# KiCad board ARTIQAmp.kicad_pcb
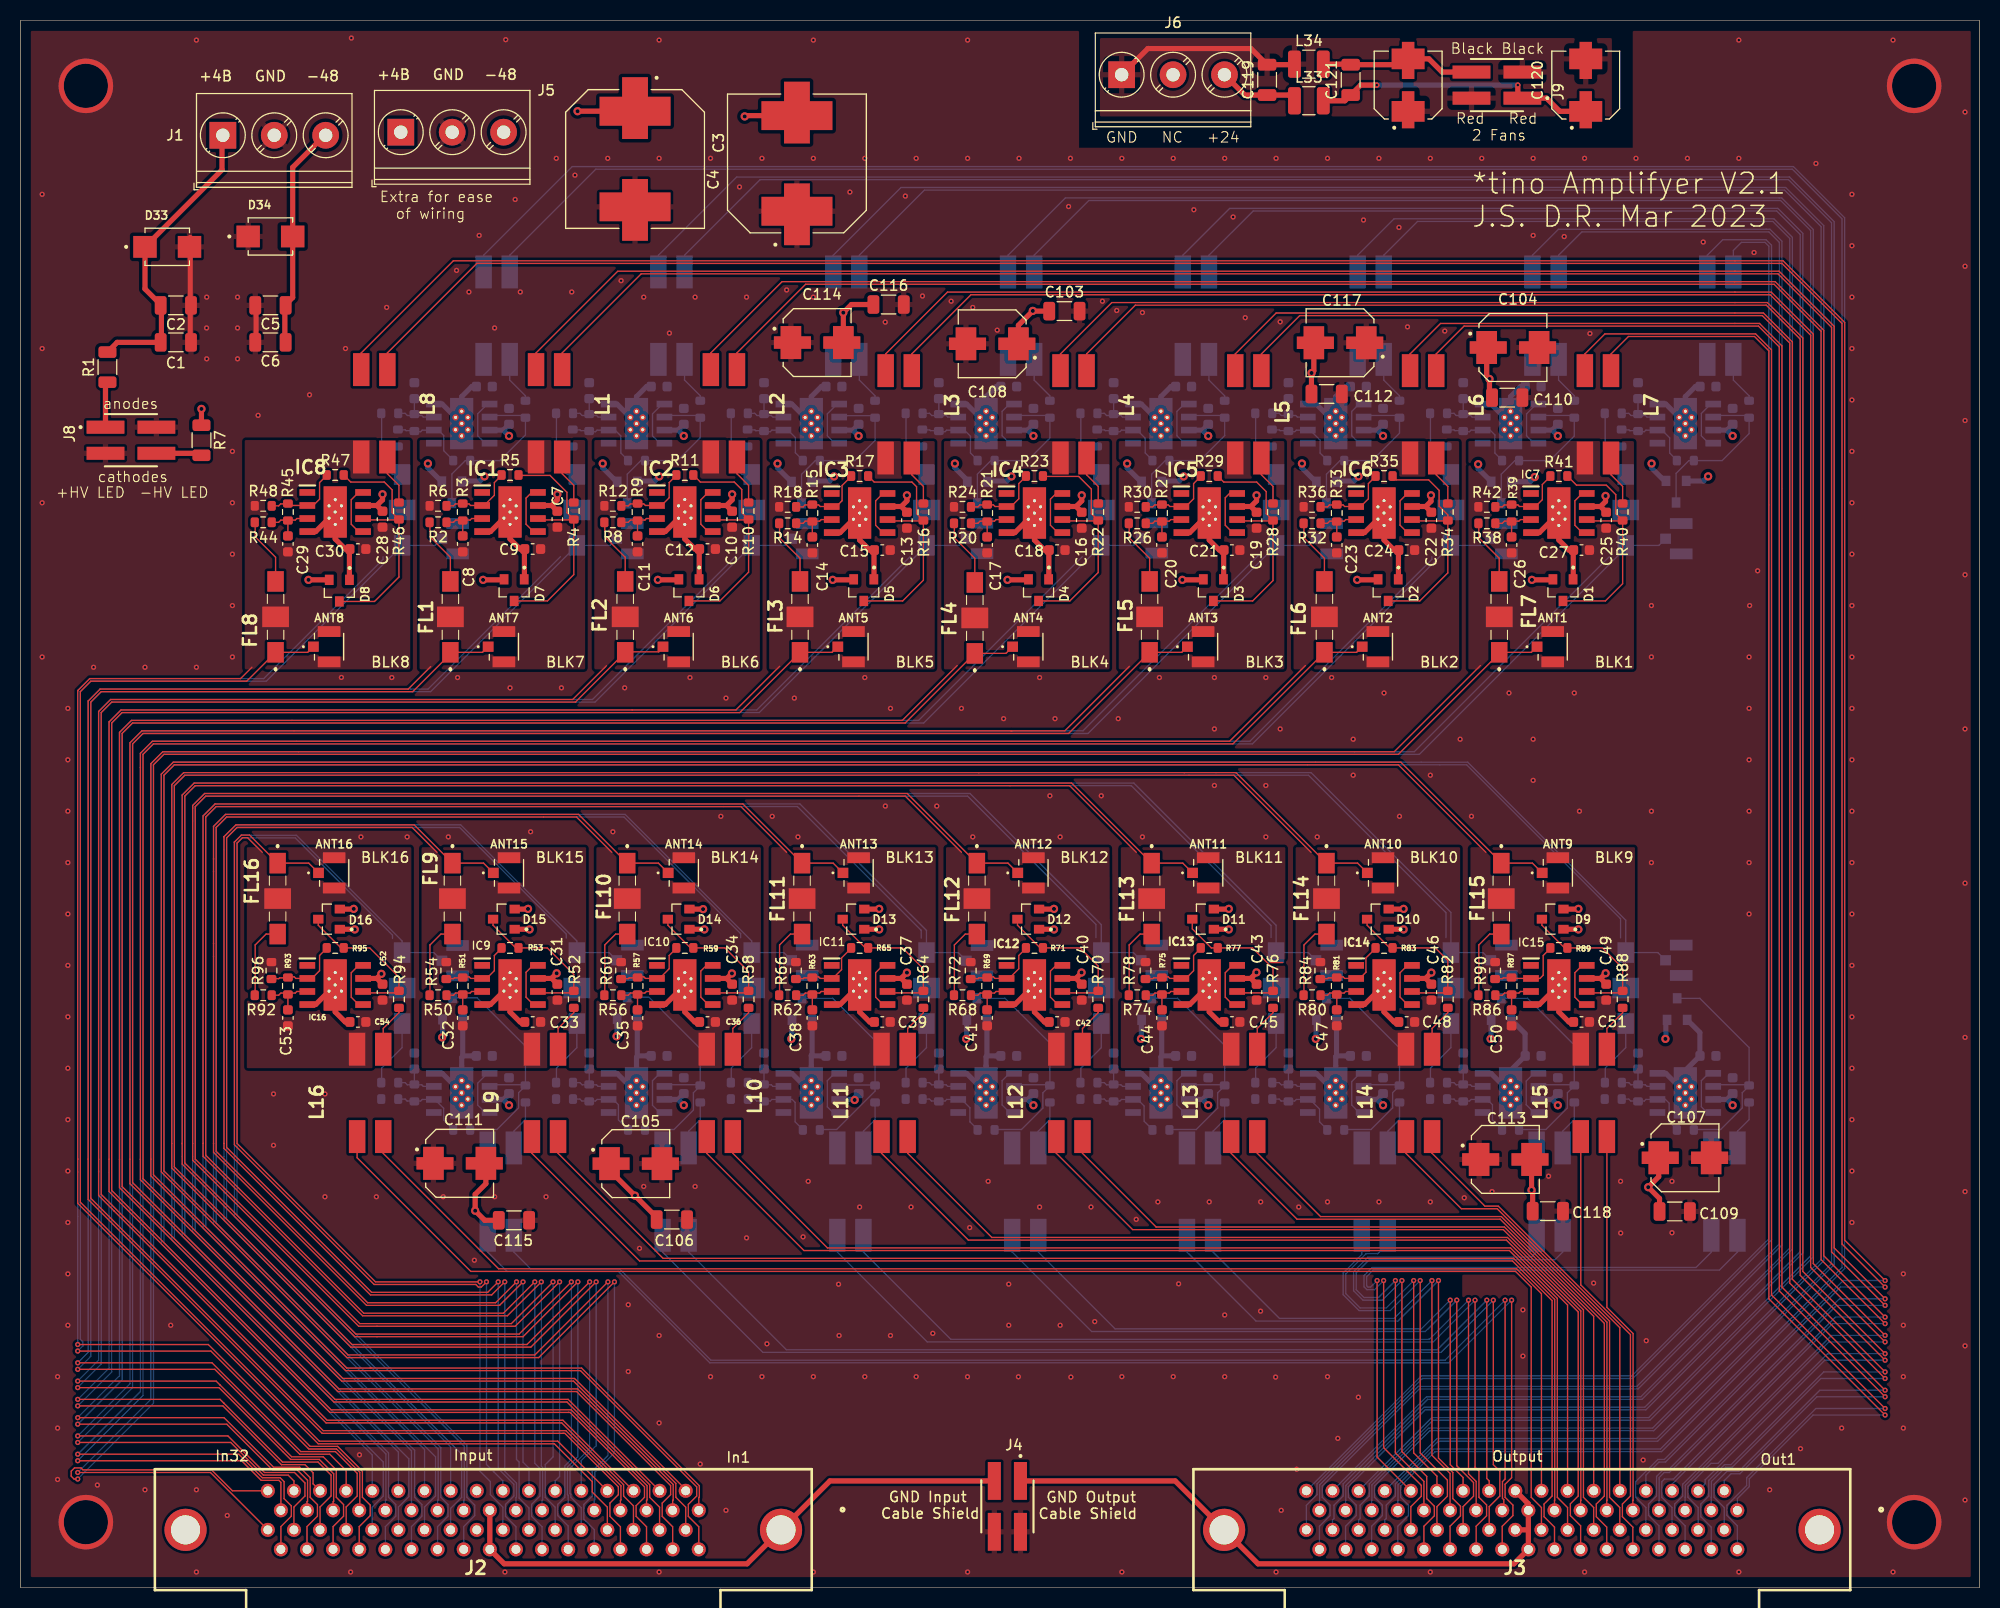
[diagram p0: board, top side]
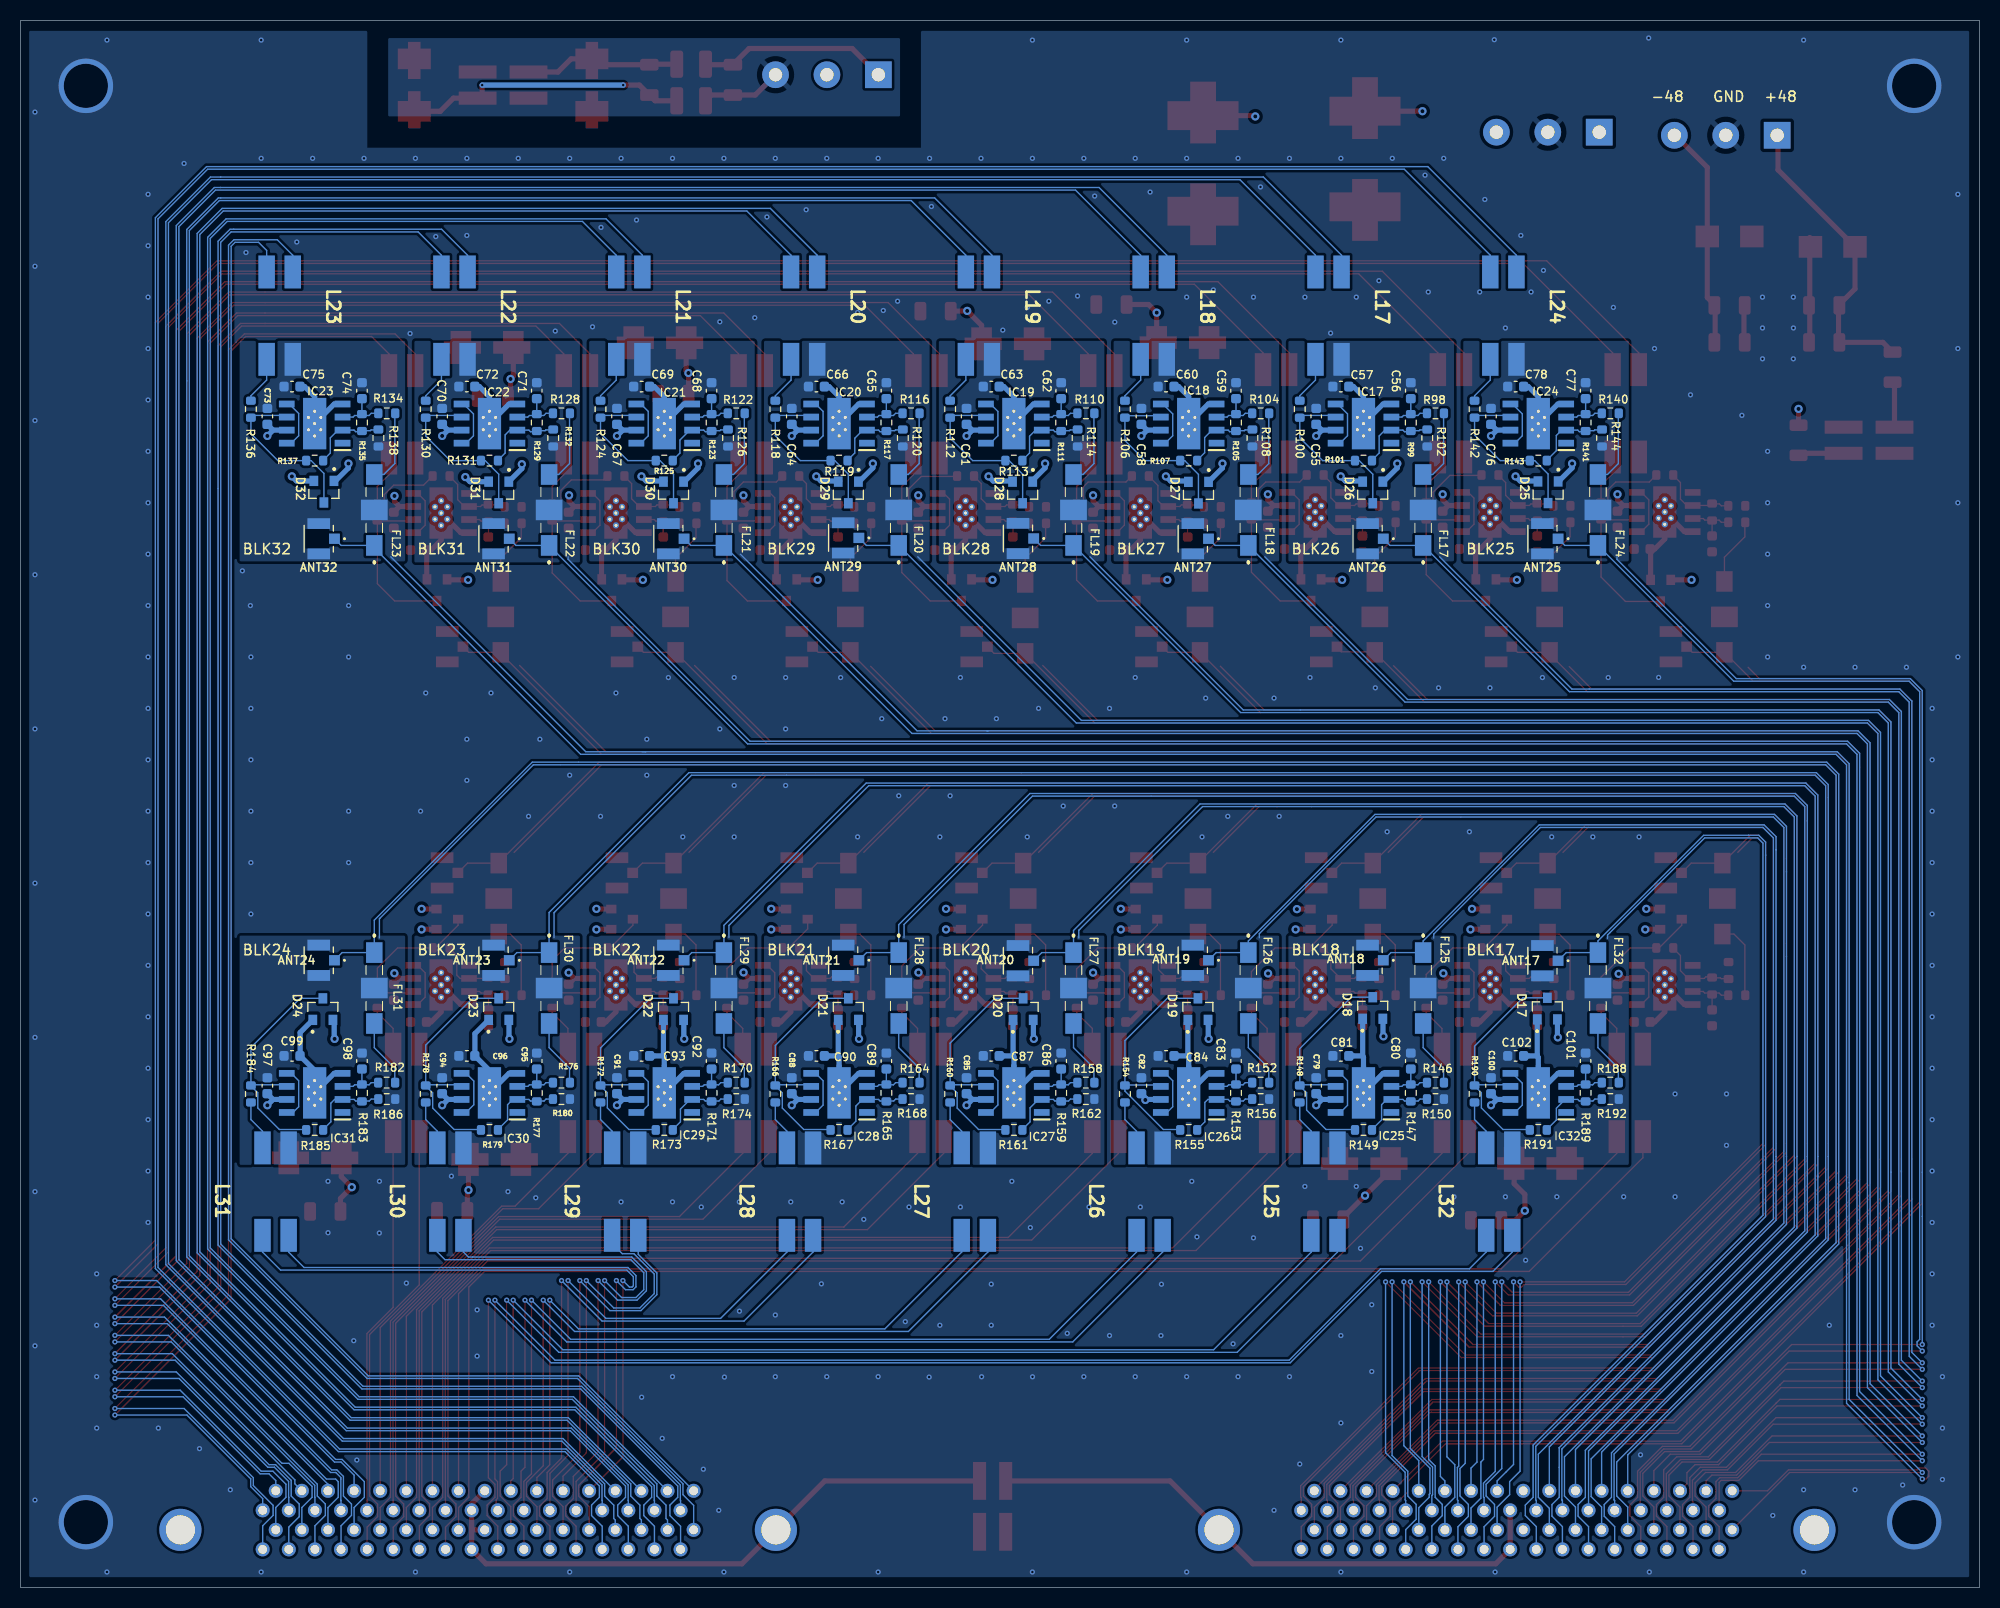
[diagram p1: board, bottom side, seen from below]

Outline 190.5 x 152.4 mm; copper layers: Top, In1.Cu (plane), In2.Cu (plane), In3.Cu (plane), In4.Cu (plane), Bottom. Coordinates in mm from the lower left corner of the outline.
Outline path: 0,152.4 0,0 190.5,0 190.5,152.4 0,152.4
Stack: Top 0.035mm / dielectric 0.274mm FR4 er 4.5 / In1.Cu 0.035mm / dielectric 0.274mm FR4 er 4.5 / In2.Cu 0.035mm / dielectric 0.274mm FR4 er 4.5 / In3.Cu 0.035mm / dielectric 0.274mm FR4 er 4.5 / In4.Cu 0.035mm / dielectric 0.274mm FR4 er 4.5 / Bottom 0.035mm

## Placement (name value [footprint] x y rotation side)
ANT1  U.FL-R-SMT-1  [HRS_U.FL-R-SMT(10)]  149 91.5 0 top
ANT2  U.FL-R-SMT-1  [HRS_U.FL-R-SMT(10)]  132 91.5 0 top
ANT3  U.FL-R-SMT-1  [HRS_U.FL-R-SMT(10)]  115 91.5 0 top
ANT4  U.FL-R-SMT-1  [HRS_U.FL-R-SMT(10)]  98 91.5 0 top
ANT5  U.FL-R-SMT-1  [HRS_U.FL-R-SMT(10)]  81 91.5 0 top
ANT6  U.FL-R-SMT-1  [HRS_U.FL-R-SMT(10)]  64 91.5 0 top
ANT7  U.FL-R-SMT-1  [HRS_U.FL-R-SMT(10)]  47 91.5 0 top
ANT8  U.FL-R-SMT-1  [HRS_U.FL-R-SMT(10)]  30 91.5 0 top
ANT9  U.FL-R-SMT-1  [HRS_U.FL-R-SMT(10)]  149.5 69.5 0 top
ANT10  U.FL-R-SMT-1  [HRS_U.FL-R-SMT(10)]  132.5 69.5 0 top
ANT11  U.FL-R-SMT-1  [HRS_U.FL-R-SMT(10)]  115.5 69.5 0 top
ANT12  U.FL-R-SMT-1  [HRS_U.FL-R-SMT(10)]  98.5 69.5 0 top
ANT13  U.FL-R-SMT-1  [HRS_U.FL-R-SMT(10)]  81.5 69.5 0 top
ANT14  U.FL-R-SMT-1  [HRS_U.FL-R-SMT(10)]  64.5 69.5 0 top
ANT15  U.FL-R-SMT-1  [HRS_U.FL-R-SMT(10)]  47.5 69.5 0 top
ANT16  U.FL-R-SMT-1  [HRS_U.FL-R-SMT(10)]  30.5 69.5 0 top
ANT17  U.FL-R-SMT-1  [HRS_U.FL-R-SMT(10)]  42.5 60.96 0 bottom
ANT18  U.FL-R-SMT-1  [HRS_U.FL-R-SMT(10)]  59.5 61 0 bottom
ANT19  U.FL-R-SMT-1  [HRS_U.FL-R-SMT(10)]  76.5 61 0 bottom
ANT20  U.FL-R-SMT-1  [HRS_U.FL-R-SMT(10)]  93.5 60.96 0 bottom
ANT21  U.FL-R-SMT-1  [HRS_U.FL-R-SMT(10)]  110.5 61 0 bottom
ANT22  U.FL-R-SMT-1  [HRS_U.FL-R-SMT(10)]  127.5 61 0 bottom
ANT23  U.FL-R-SMT-1  [HRS_U.FL-R-SMT(10)]  144.5 61 0 bottom
ANT24  U.FL-R-SMT-1  [HRS_U.FL-R-SMT(10)]  161.5 61 0 bottom
ANT25  U.FL-R-SMT-1  [HRS_U.FL-R-SMT(10)]  42.5 102 0 bottom
ANT26  U.FL-R-SMT-1  [HRS_U.FL-R-SMT(10)]  59.5 102 0 bottom
ANT27  U.FL-R-SMT-1  [HRS_U.FL-R-SMT(10)]  76.5 102 0 bottom
ANT28  U.FL-R-SMT-1  [HRS_U.FL-R-SMT(10)]  93.5 102.03 0 bottom
ANT29  U.FL-R-SMT-1  [HRS_U.FL-R-SMT(10)]  110.5 102.08 0 bottom
ANT30  U.FL-R-SMT-1  [HRS_U.FL-R-SMT(10)]  127.5 102 0 bottom
ANT31  U.FL-R-SMT-1  [HRS_U.FL-R-SMT(10)]  144.5 102 0 bottom
ANT32  U.FL-R-SMT-1  [HRS_U.FL-R-SMT(10)]  161.5 102 0 bottom
C1  1u  [C_1206_3216Metric]  15.1 121.1 0 top
C2  1u  [C_1206_3216Metric]  15.1 124.7 0 top
C3  47u  [CAP_EEEFK2A470AV]  59.76 138.93 270 top
C4  47u  [CAP_EEEFK2A470AV]  75.5 138.5 90 top
C5  1u  [C_1206_3216Metric]  24.3 124.7 180 top
C6  1u  [C_1206_3216Metric]  24.3 121.1 180 top
C7  0.1u  [C_0603_1608Metric]  52.2 103.9 90 top
C8  1n  [C_0603_1608Metric]  43 101.5 270 top
C9  0.1u  [C_0603_1608Metric]  49.8 101 180 top
C10  0.1u  [C_0603_1608Metric]  69.2 103.9 90 top
C11  1n  [C_0603_1608Metric]  60 101.5 270 top
C12  0.1u  [C_0603_1608Metric]  66.8 101 180 top
C13  0.1u  [C_0603_1608Metric]  86.2 103.8 90 top
C14  1n  [C_0603_1608Metric]  77 101.4 270 top
C15  0.1u  [C_0603_1608Metric]  83.8 100.9 180 top
C16  0.1u  [C_0603_1608Metric]  103.2 103.8 90 top
C17  1n  [C_0603_1608Metric]  94 101.4 270 top
C18  0.1u  [C_0603_1608Metric]  100.8 100.9 180 top
C19  0.1u  [C_0603_1608Metric]  120.2 103.8 90 top
C20  1n  [C_0603_1608Metric]  111 101.4 270 top
C21  0.1u  [C_0603_1608Metric]  117.8 100.9 180 top
C22  0.1u  [C_0603_1608Metric]  137.2 103.8 90 top
C23  1n  [C_0603_1608Metric]  128 101.4 270 top
C24  0.1u  [C_0603_1608Metric]  134.8 100.9 180 top
C25  0.1u  [C_0603_1608Metric]  154.2 103.8 90 top
C26  1n  [C_0603_1608Metric]  145 101.4 270 top
C27  0.1u  [C_0603_1608Metric]  151.8 100.9 180 top
C28  0.1u  [C_0603_1608Metric]  35.2 103.9 90 top
C29  1n  [C_0603_1608Metric]  26 101.5 270 top
C30  0.1u  [C_0603_1608Metric]  32.8 101 180 top
C31  0.1u  [C_0603_1608Metric]  52.2 57.9 90 top
C32  1n  [C_0603_1608Metric]  43 55.4 270 top
C33  0.1u  [C_0603_1608Metric]  49.8 55 180 top
C34  0.1u  [C_0603_1608Metric]  69.2 57.9 90 top
C35  1n  [C_0603_1608Metric]  60 55.4 270 top
C36  0.1u  [C_0603_1608Metric]  66.8 55 180 top
C37  0.1u  [C_0603_1608Metric]  86.2 57.9 90 top
C38  1n  [C_0603_1608Metric]  77 55.4 270 top
C39  0.1u  [C_0603_1608Metric]  83.8 55 180 top
C40  0.1u  [C_0603_1608Metric]  103.2 57.9 90 top
C41  1n  [C_0603_1608Metric]  94 55.4 270 top
C42  0.1u  [C_0603_1608Metric]  100.8 55 180 top
C43  0.1u  [C_0603_1608Metric]  120.2 57.9 90 top
C44  1n  [C_0603_1608Metric]  111 55.4 270 top
C45  0.1u  [C_0603_1608Metric]  117.8 55 180 top
C46  0.1u  [C_0603_1608Metric]  137.2 57.9 90 top
C47  1n  [C_0603_1608Metric]  128 55.4 270 top
C48  0.1u  [C_0603_1608Metric]  134.8 55 180 top
C49  0.1u  [C_0603_1608Metric]  154.2 57.9 90 top
C50  1n  [C_0603_1608Metric]  145 55.4 270 top
C51  0.1u  [C_0603_1608Metric]  151.8 55 180 top
C52  0.1u  [C_0603_1608Metric]  35.2 57.9 90 top
C53  1n  [C_0603_1608Metric]  26 55.4 270 top
C54  0.1u  [C_0603_1608Metric]  32.8 55 180 top
C55  0.1u  [C_0603_1608Metric]  64.5 113.9 270 bottom
C56  1n  [C_0603_1608Metric]  55.3 116.4 90 bottom
C57  0.1u  [C_0603_1608Metric]  62.1 116.8 180 bottom
C58  0.1u  [C_0603_1608Metric]  81.5 113.9 270 bottom
C59  1n  [C_0603_1608Metric]  72.3 116.4 90 bottom
C60  0.1u  [C_0603_1608Metric]  79.1 116.8 180 bottom
C61  0.1u  [C_0603_1608Metric]  98.5 113.9 270 bottom
C62  1n  [C_0603_1608Metric]  89.3 116.4 90 bottom
C63  0.1u  [C_0603_1608Metric]  96.1 116.8 180 bottom
C64  0.1u  [C_0603_1608Metric]  115.5 113.9 270 bottom
C65  1n  [C_0603_1608Metric]  106.3 116.4 90 bottom
C66  0.1u  [C_0603_1608Metric]  113.1 116.8 180 bottom
C67  0.1u  [C_0603_1608Metric]  132.5 113.9 270 bottom
C68  1n  [C_0603_1608Metric]  123.3 116.4 90 bottom
C69  0.1u  [C_0603_1608Metric]  130.1 116.8 180 bottom
C70  0.1u  [C_0603_1608Metric]  149.5 113.9 270 bottom
C71  1n  [C_0603_1608Metric]  140.3 116.4 90 bottom
C72  0.1u  [C_0603_1608Metric]  147.1 116.8 180 bottom
C73  0.1u  [C_0603_1608Metric]  166.5 113.9 270 bottom
C74  1n  [C_0603_1608Metric]  157.3 116.4 90 bottom
C75  0.1u  [C_0603_1608Metric]  164.1 116.8 180 bottom
C76  0.1u  [C_0603_1608Metric]  47.5 113.9 270 bottom
C77  1n  [C_0603_1608Metric]  38.3 116.4 90 bottom
C78  0.1u  [C_0603_1608Metric]  45.1 116.8 180 bottom
C79  0.1u  [C_0603_1608Metric]  64.5 48.8 270 bottom
C80  1n  [C_0603_1608Metric]  55.3 51.2 90 bottom
C81  0.1u  [C_0603_1608Metric]  62.1 51.7 180 bottom
C82  0.1u  [C_0603_1608Metric]  81.5 48.8 270 bottom
C83  1n  [C_0603_1608Metric]  72.3 51.2 90 bottom
C84  0.1u  [C_0603_1608Metric]  79.1 51.7 180 bottom
C85  0.1u  [C_0603_1608Metric]  98.5 48.8 270 bottom
C86  1n  [C_0603_1608Metric]  89.3 51.2 90 bottom
C87  0.1u  [C_0603_1608Metric]  96.1 51.7 180 bottom
C88  0.1u  [C_0603_1608Metric]  115.5 48.8 270 bottom
C89  1n  [C_0603_1608Metric]  106.3 51.2 90 bottom
C90  0.1u  [C_0603_1608Metric]  113.1 51.7 180 bottom
C91  0.1u  [C_0603_1608Metric]  132.5 48.8 270 bottom
C92  1n  [C_0603_1608Metric]  123.3 51.2 90 bottom
C93  0.1u  [C_0603_1608Metric]  130.1 51.7 180 bottom
C94  0.1u  [C_0603_1608Metric]  149.5 48.8 270 bottom
C95  1n  [C_0603_1608Metric]  140.3 51.2 90 bottom
C96  0.1u  [C_0603_1608Metric]  147.1 51.7 180 bottom
C97  0.1u  [C_0603_1608Metric]  166.5 48.8 270 bottom
C98  1n  [C_0603_1608Metric]  157.3 51.2 90 bottom
C99  0.1u  [C_0603_1608Metric]  164.1 51.7 180 bottom
C100  0.1u  [C_0603_1608Metric]  47.5 48.8 270 bottom
C101  1n  [C_0603_1608Metric]  38.3 51.2 90 bottom
C102  0.1u  [C_0603_1608Metric]  45.1 51.7 180 bottom
C103  1u  [C_1206_3216Metric]  101.52 124.14 0 top
C104  10u  [CAP_EEEFK1H100V]  145.13 120.6 0 top
C105  10u  [CAP_EEEFK1H100V]  59.83 41.22 0 top
C106  1u  [C_1206_3216Metric]  63.34 35.78 0 top
C107  10u  [CAP_EEEFK1H100V]  161.86 41.79 0 top
C108  10u  [CAP_EEEFK1H100V]  94.49 120.96 180 top
C109  1u  [C_1206_3216Metric]  160.87 36.57 0 top
C110  1u  [C_1206_3216Metric]  144.57 115.72 0 top
C111  10u  [CAP_EEEFK1H100V]  42.7 41.25 0 top
C112  1u  [C_1206_3216Metric]  127.01 116.08 0 top
C113  10u  [CAP_EEEFK1H100V]  144.4 41.63 0 top
C114  10u  [CAP_EEEFK1H100V]  77.47 121.08 0 top
C115  1u  [C_1206_3216Metric]  47.98 35.71 0 top
C116  1u  [C_1206_3216Metric]  84.42 124.78 0 top
C117  10u  [CAP_EEEFK1H100V]  128.32 121.06 180 top
C118  1u  [C_1206_3216Metric]  148.53 36.6 0 top
C119  1u  [C_1206_3216Metric]  121.22 146.63 90 top
C120  10u  [CAP_EEEFK1H100V]  152.21 146.12 90 top
C121  1u  [C_1206_3216Metric]  129.35 146.63 90 top
C122  10u  [CAP_EEEFK1H100V]  134.94 146.12 90 top
D1  BAV99  [TRANS_MMBT2907A]  150 97 270 top
D2  BAV99  [TRANS_MMBT2907A]  133 97 270 top
D3  BAV99  [TRANS_MMBT2907A]  116 97 270 top
D4  BAV99  [TRANS_MMBT2907A]  99 97 270 top
D5  BAV99  [TRANS_MMBT2907A]  82 97 270 top
D6  BAV99  [TRANS_MMBT2907A]  65 97 270 top
D7  BAV99  [TRANS_MMBT2907A]  48 97 270 top
D8  BAV99  [TRANS_MMBT2907A]  31 96.95 270 top
D9  NUP1301,215  [TRANS_MMBT2907A]  149 65 180 top
D10  NUP1301,215  [TRANS_MMBT2907A]  132 65 180 top
D11  NUP1301,215  [TRANS_MMBT2907A]  115 65 180 top
D12  NUP1301,215  [TRANS_MMBT2907A]  98 65 180 top
D13  NUP1301,215  [TRANS_MMBT2907A]  81 65 180 top
D14  NUP1301,215  [TRANS_MMBT2907A]  64 65 180 top
D15  NUP1301,215  [TRANS_MMBT2907A]  47 65 180 top
D16  NUP1301,215  [TRANS_MMBT2907A]  30 65 180 top
D17  BAV99  [TRANS_MMBT2907A]  42.02 56.3 90 bottom
D18  BAV99  [TRANS_MMBT2907A]  59 56.36 90 bottom
D19  BAV99  [TRANS_MMBT2907A]  76 56.25 90 bottom
D20  BAV99  [TRANS_MMBT2907A]  93 56.25 90 bottom
D21  BAV99  [TRANS_MMBT2907A]  110 56.25 90 bottom
D22  BAV99  [TRANS_MMBT2907A]  127 56.25 90 bottom
D23  BAV99  [TRANS_MMBT2907A]  144 56.25 90 bottom
D24  BAV99  [TRANS_MMBT2907A]  161.1 56.25 90 bottom
D25  NUP1301,215  [TRANS_MMBT2907A]  41.95 106.52 270 bottom
D26  NUP1301,215  [TRANS_MMBT2907A]  59 106.5 270 bottom
D27  NUP1301,215  [TRANS_MMBT2907A]  75.95 106.48 270 bottom
D28  NUP1301,215  [TRANS_MMBT2907A]  93.05 106.5 270 bottom
D29  NUP1301,215  [TRANS_MMBT2907A]  110 106.5 270 bottom
D30  NUP1301,215  [TRANS_MMBT2907A]  127 106.5 270 bottom
D31  NUP1301,215  [TRANS_MMBT2907A]  144 106.5 270 bottom
D32  NUP1301,215  [TRANS_MMBT2907A]  161 106.58 270 bottom
D33  PU6BBH  [DIOM4336X265N]  14.27 130.39 0 top
D34  PU6BBH  [DIOM4336X265N]  24.3 131.4 0 top
FL1  NFE61PT472C1H9L  [NFE61]  41.8 94.4 90 top
FL2  NFE61PT472C1H9L  [NFE61]  58.8 94.4 90 top
FL3  NFE61PT472C1H9L  [NFE61]  75.8 94.4 90 top
FL4  NFE61PT472C1H9L  [NFE61]  92.8 94.3 90 top
FL5  NFE61PT472C1H9L  [NFE61]  109.8 94.4 90 top
FL6  NFE61PT472C1H9L  [NFE61]  126.8 94.4 90 top
FL7  NFE61PT472C1H9L  [NFE61]  143.8 94.4 90 top
FL8  NFE61PT472C1H9L  [NFE61]  24.8 94.4 90 top
FL9  NFE61PT472C1H9L  [NFE61]  42 67 270 top
FL10  NFE61PT472C1H9L  [NFE61]  59 67 270 top
FL11  NFE61PT472C1H9L  [NFE61]  76 67 270 top
FL12  NFE61PT472C1H9L  [NFE61]  93 67 270 top
FL13  NFE61PT472C1H9L  [NFE61]  110 67 270 top
FL14  NFE61PT472C1H9L  [NFE61]  127 67 270 top
FL15  NFE61PT472C1H9L  [NFE61]  144 67 270 top
FL16  NFE61PT472C1H9L  [NFE61]  25 67 270 top
FL17  NFE61PT472C1H9L  [NFE61]  54.1 104.8 90 bottom
FL18  NFE61PT472C1H9L  [NFE61]  71.1 104.8 90 bottom
FL19  NFE61PT472C1H9L  [NFE61]  88.1 104.8 90 bottom
FL20  NFE61PT472C1H9L  [NFE61]  105.1 104.8 90 bottom
FL21  NFE61PT472C1H9L  [NFE61]  122.1 104.8 90 bottom
FL22  NFE61PT472C1H9L  [NFE61]  139.1 104.8 90 bottom
FL23  NFE61PT472C1H9L  [NFE61]  156.1 104.8 90 bottom
FL24  NFE61PT472C1H9L  [NFE61]  37.1 104.8 90 bottom
FL25  NFE61PT472C1H9L  [NFE61]  54.1 58.3 270 bottom
FL26  NFE61PT472C1H9L  [NFE61]  71.1 58.3 270 bottom
FL27  NFE61PT472C1H9L  [NFE61]  88.1 58.3 270 bottom
FL28  NFE61PT472C1H9L  [NFE61]  105.1 58.3 270 bottom
FL29  NFE61PT472C1H9L  [NFE61]  122.1 58.3 270 bottom
FL30  NFE61PT472C1H9L  [NFE61]  139.1 58.3 270 bottom
FL31  NFE61PT472C1H9L  [NFE61]  156.1 58.3 270 bottom
FL32  NFE61PT472C1H9L  [NFE61]  37.1 58.3 270 bottom
IC1  LTC6090CS8E#PBF  [SOIC127P599X175-9N]  47.6 104.6 0 top
IC2  LTC6090CS8E#PBF  [SOIC127P599X175-9N]  64.6 104.6 0 top
IC3  LTC6090CS8E#PBF  [SOIC127P599X175-9N]  81.6 104.5 0 top
IC4  LTC6090CS8E#PBF  [SOIC127P599X175-9N]  98.6 104.5 0 top
IC5  LTC6090CS8E#PBF  [SOIC127P599X175-9N]  115.6 104.5 0 top
IC6  LTC6090CS8E#PBF  [SOIC127P599X175-9N]  132.6 104.5 0 top
IC7  LTC6090CS8E#PBF  [SOIC127P599X175-9N]  149.6 104.5 0 top
IC8  LTC6090CS8E#PBF  [SOIC127P599X175-9N]  30.6 104.6 0 top
IC9  LTC6090CS8E#PBF  [SOIC127P599X175-9N]  47.6 58.6 0 top
IC10  LTC6090CS8E#PBF  [SOIC127P599X175-9N]  64.6 58.6 0 top
IC11  LTC6090CS8E#PBF  [SOIC127P599X175-9N]  81.6 58.6 0 top
IC12  LTC6090CS8E#PBF  [SOIC127P599X175-9N]  98.6 58.6 0 top
IC13  LTC6090CS8E#PBF  [SOIC127P599X175-9N]  115.6 58.6 0 top
IC14  LTC6090CS8E#PBF  [SOIC127P599X175-9N]  132.6 58.6 0 top
IC15  LTC6090CS8E#PBF  [SOIC127P599X175-9N]  149.6 58.6 0 top
IC16  LTC6090CS8E#PBF  [SOIC127P599X175-9N]  30.6 58.6 0 top
IC17  LTC6090CS8E#PBF  [SOIC127P599X175-9N]  59.9 113.2 0 bottom
IC18  LTC6090CS8E#PBF  [SOIC127P599X175-9N]  76.9 113.2 0 bottom
IC19  LTC6090CS8E#PBF  [SOIC127P599X175-9N]  93.9 113.2 0 bottom
IC20  LTC6090CS8E#PBF  [SOIC127P599X175-9N]  110.9 113.2 0 bottom
IC21  LTC6090CS8E#PBF  [SOIC127P599X175-9N]  127.9 113.2 0 bottom
IC22  LTC6090CS8E#PBF  [SOIC127P599X175-9N]  144.9 113.2 0 bottom
IC23  LTC6090CS8E#PBF  [SOIC127P599X175-9N]  161.9 113.2 0 bottom
IC24  LTC6090CS8E#PBF  [SOIC127P599X175-9N]  42.9 113.2 0 bottom
IC25  LTC6090CS8E#PBF  [SOIC127P599X175-9N]  59.9 48.1 0 bottom
IC26  LTC6090CS8E#PBF  [SOIC127P599X175-9N]  76.9 48.1 0 bottom
IC27  LTC6090CS8E#PBF  [SOIC127P599X175-9N]  93.9 48.1 0 bottom
IC28  LTC6090CS8E#PBF  [SOIC127P599X175-9N]  110.9 48.1 0 bottom
IC29  LTC6090CS8E#PBF  [SOIC127P599X175-9N]  127.9 48.1 0 bottom
IC30  LTC6090CS8E#PBF  [SOIC127P599X175-9N]  144.9 48.1 0 bottom
IC31  LTC6090CS8E#PBF  [SOIC127P599X175-9N]  161.9 48.1 0 bottom
IC32  LTC6090CS8E#PBF  [SOIC127P599X175-9N]  42.9 48.1 0 bottom
J1  Power conneciton  [TerminalBlock_Phoenix_PT-1,5-3-5.0-H_1x03_P5.00mm_Horizontal]  19.67 141.24 0 top
J2  HD68  [5787082-7_1]  45 5.6 0 top
J3  HD68  [5787082-7_1]  146 5.6 0 top
J4  TSM-102-01-L-DV  [SAMTEC_TSM-102-01-L-DV]  95.97 7.88 0 top
J5  Power conneciton  [TerminalBlock_Phoenix_PT-1,5-3-5.0-H_1x03_P5.00mm_Horizontal]  36.98 141.54 0 top
J6  Power conneciton  [TerminalBlock_Phoenix_PT-1,5-3-5.0-H_1x03_P5.00mm_Horizontal]  107.08 147.13 0 top
J8  TSM-102-01-L-DV  [SAMTEC_TSM-102-01-L-DV]  10.73 111.58 90 top
J9  TSM-102-01-L-DV  [SAMTEC_TSM-102-01-L-DV]  143.58 146.12 270 top
L1  18.4k  [WE-SL2-WIDE]  51.4 114.2 90 top
L2  18.4k  [WE-SL2-WIDE]  68.4 114.2 90 top
L3  18.4k  [WE-SL2-WIDE]  85.4 114.1 90 top
L4  18.4k  [WE-SL2-WIDE]  102.4 114.1 90 top
L5  18.4k  [WE-SL2-WIDE]  119.4 114.1 90 top
L6  18.4k  [WE-SL2-WIDE]  136.4 114.1 90 top
L7  18.4k  [WE-SL2-WIDE]  153.4 114.1 90 top
L8  18.4k  [WE-SL2-WIDE]  34.4 114.2 90 top
L9  18.4k  [WE-SL2-WIDE]  51 48.1 270 top
L10  18.4k  [WE-SL2-WIDE]  68 48.1 270 top
L11  18.4k  [WE-SL2-WIDE]  85 48.1 270 top
L12  18.4k  [WE-SL2-WIDE]  102 48.1 270 top
L13  18.4k  [WE-SL2-WIDE]  119 48.1 270 top
L14  18.4k  [WE-SL2-WIDE]  136 48.1 270 top
L15  18.4k  [WE-SL2-WIDE]  153 48.1 270 top
L16  18.4k  [WE-SL2-WIDE]  34 48.1 270 top
L17  18.4k  [WE-SL2-WIDE]  63.3 123.7 90 bottom
L18  18.4k  [WE-SL2-WIDE]  80.3 123.7 90 bottom
L19  18.4k  [WE-SL2-WIDE]  97.3 123.7 90 bottom
L20  18.4k  [WE-SL2-WIDE]  114.3 123.7 90 bottom
L21  18.4k  [WE-SL2-WIDE]  131.3 123.7 90 bottom
L22  18.4k  [WE-SL2-WIDE]  148.3 123.7 90 bottom
L23  18.4k  [WE-SL2-WIDE]  165.3 123.7 90 bottom
L24  18.4k  [WE-SL2-WIDE]  46.3 123.7 90 bottom
L25  18.4k  [WE-SL2-WIDE]  63.7 38.5 270 bottom
L26  18.4k  [WE-SL2-WIDE]  80.7 38.5 270 bottom
L27  18.4k  [WE-SL2-WIDE]  97.7 38.5 270 bottom
L28  18.4k  [WE-SL2-WIDE]  114.7 38.5 270 bottom
L29  18.4k  [WE-SL2-WIDE]  131.7 38.5 270 bottom
L30  18.4k  [WE-SL2-WIDE]  148.7 38.5 270 bottom
L31  18.4k  [WE-SL2-WIDE]  165.7 38.5 270 bottom
L32  18.4k  [WE-SL2-WIDE]  46.7 38.5 270 bottom
L33  INDUCTOR  [L_1210_3225Metric]  125.29 144.6 0 top
L34  INDUCTOR  [L_1210_3225Metric]  125.29 148.16 0 top
R1  3k  [R_1206_3216Metric]  8.45 118.69 90 top
R2  100  [R_0603_1608Metric]  40.6 103.6 180 top
R3  4.99k  [R_0603_1608Metric]  43 104.6 90 top
R4  30  [R_0603_1608Metric]  53.8 104.7 270 top
R5  4.99k  [R_0603_1608Metric]  47.6 108.2 0 top
R6  1.65k  [R_0603_1608Metric]  40.6 105.2 0 top
R7  1.2k  [R_1206_3216Metric]  17.59 111.58 270 top
R8  100  [R_0603_1608Metric]  57.6 103.6 180 top
R9  4.99k  [R_0603_1608Metric]  60 104.6 90 top
R10  30  [R_0603_1608Metric]  70.8 104.7 270 top
R11  4.99k  [R_0603_1608Metric]  64.6 108.2 0 top
R12  1.65k  [R_0603_1608Metric]  57.6 105.2 0 top
R14  100  [R_0603_1608Metric]  74.6 103.5 180 top
R15  4.99k  [R_0603_1608Metric]  77 104.5 90 top
R16  30  [R_0603_1608Metric]  87.8 104.6 270 top
R17  4.99k  [R_0603_1608Metric]  81.6 108.1 0 top
R18  1.65k  [R_0603_1608Metric]  74.6 105.1 0 top
R20  100  [R_0603_1608Metric]  91.6 103.5 180 top
R21  4.99k  [R_0603_1608Metric]  94 104.5 90 top
R22  30  [R_0603_1608Metric]  104.8 104.6 270 top
R23  4.99k  [R_0603_1608Metric]  98.6 108.1 0 top
R24  1.65k  [R_0603_1608Metric]  91.6 105.1 0 top
R26  100  [R_0603_1608Metric]  108.6 103.5 180 top
R27  4.99k  [R_0603_1608Metric]  111 104.5 90 top
R28  30  [R_0603_1608Metric]  121.8 104.6 270 top
R29  4.99k  [R_0603_1608Metric]  115.6 108.1 0 top
R30  1.65k  [R_0603_1608Metric]  108.6 105.1 0 top
R32  100  [R_0603_1608Metric]  125.6 103.5 180 top
R33  4.99k  [R_0603_1608Metric]  128 104.5 90 top
R34  30  [R_0603_1608Metric]  138.8 104.6 270 top
R35  4.99k  [R_0603_1608Metric]  132.6 108.1 0 top
R36  1.65k  [R_0603_1608Metric]  125.6 105.1 0 top
R38  100  [R_0603_1608Metric]  142.6 103.5 180 top
R39  4.99k  [R_0603_1608Metric]  145 104.5 90 top
R40  30  [R_0603_1608Metric]  155.8 104.6 270 top
R41  4.99k  [R_0603_1608Metric]  149.6 108.1 0 top
R42  1.65k  [R_0603_1608Metric]  142.6 105.1 0 top
R44  100  [R_0603_1608Metric]  23.6 103.6 180 top
R45  4.99k  [R_0603_1608Metric]  26 104.6 90 top
R46  30  [R_0603_1608Metric]  36.8 104.7 270 top
R47  4.99k  [R_0603_1608Metric]  30.6 108.2 0 top
R48  1.65k  [R_0603_1608Metric]  23.6 105.2 0 top
R50  100  [R_0603_1608Metric]  40.6 57.6 180 top
R51  4.99k  [R_0603_1608Metric]  43 58.5 90 top
R52  30  [R_0603_1608Metric]  53.8 57.2 90 top
R53  4.99k  [R_0603_1608Metric]  47.6 62.2 0 top
R54  1.65k  [R_0603_1608Metric]  41.4 60 270 top
R56  100  [R_0603_1608Metric]  57.6 57.6 180 top
R57  4.99k  [R_0603_1608Metric]  60 58.5 90 top
R58  30  [R_0603_1608Metric]  70.8 57.2 90 top
R59  4.99k  [R_0603_1608Metric]  64.6 62.2 0 top
R60  1.65k  [R_0603_1608Metric]  58.4 60 270 top
R62  100  [R_0603_1608Metric]  74.6 57.6 180 top
R63  4.99k  [R_0603_1608Metric]  77 58.5 90 top
R64  30  [R_0603_1608Metric]  87.8 57.2 90 top
R65  4.99k  [R_0603_1608Metric]  81.6 62.2 0 top
R66  1.65k  [R_0603_1608Metric]  75.4 60 270 top
R68  100  [R_0603_1608Metric]  91.6 57.6 180 top
R69  4.99k  [R_0603_1608Metric]  94 58.5 90 top
R70  30  [R_0603_1608Metric]  104.8 57.2 90 top
R71  4.99k  [R_0603_1608Metric]  98.6 62.2 0 top
R72  1.65k  [R_0603_1608Metric]  92.4 60 270 top
R74  100  [R_0603_1608Metric]  108.6 57.6 180 top
R75  4.99k  [R_0603_1608Metric]  111 58.5 90 top
R76  30  [R_0603_1608Metric]  121.8 57.2 90 top
R77  4.99k  [R_0603_1608Metric]  115.6 62.2 0 top
R78  1.65k  [R_0603_1608Metric]  109.4 60 270 top